# KiCad board tekskey-rounded-half.kicad_pcb
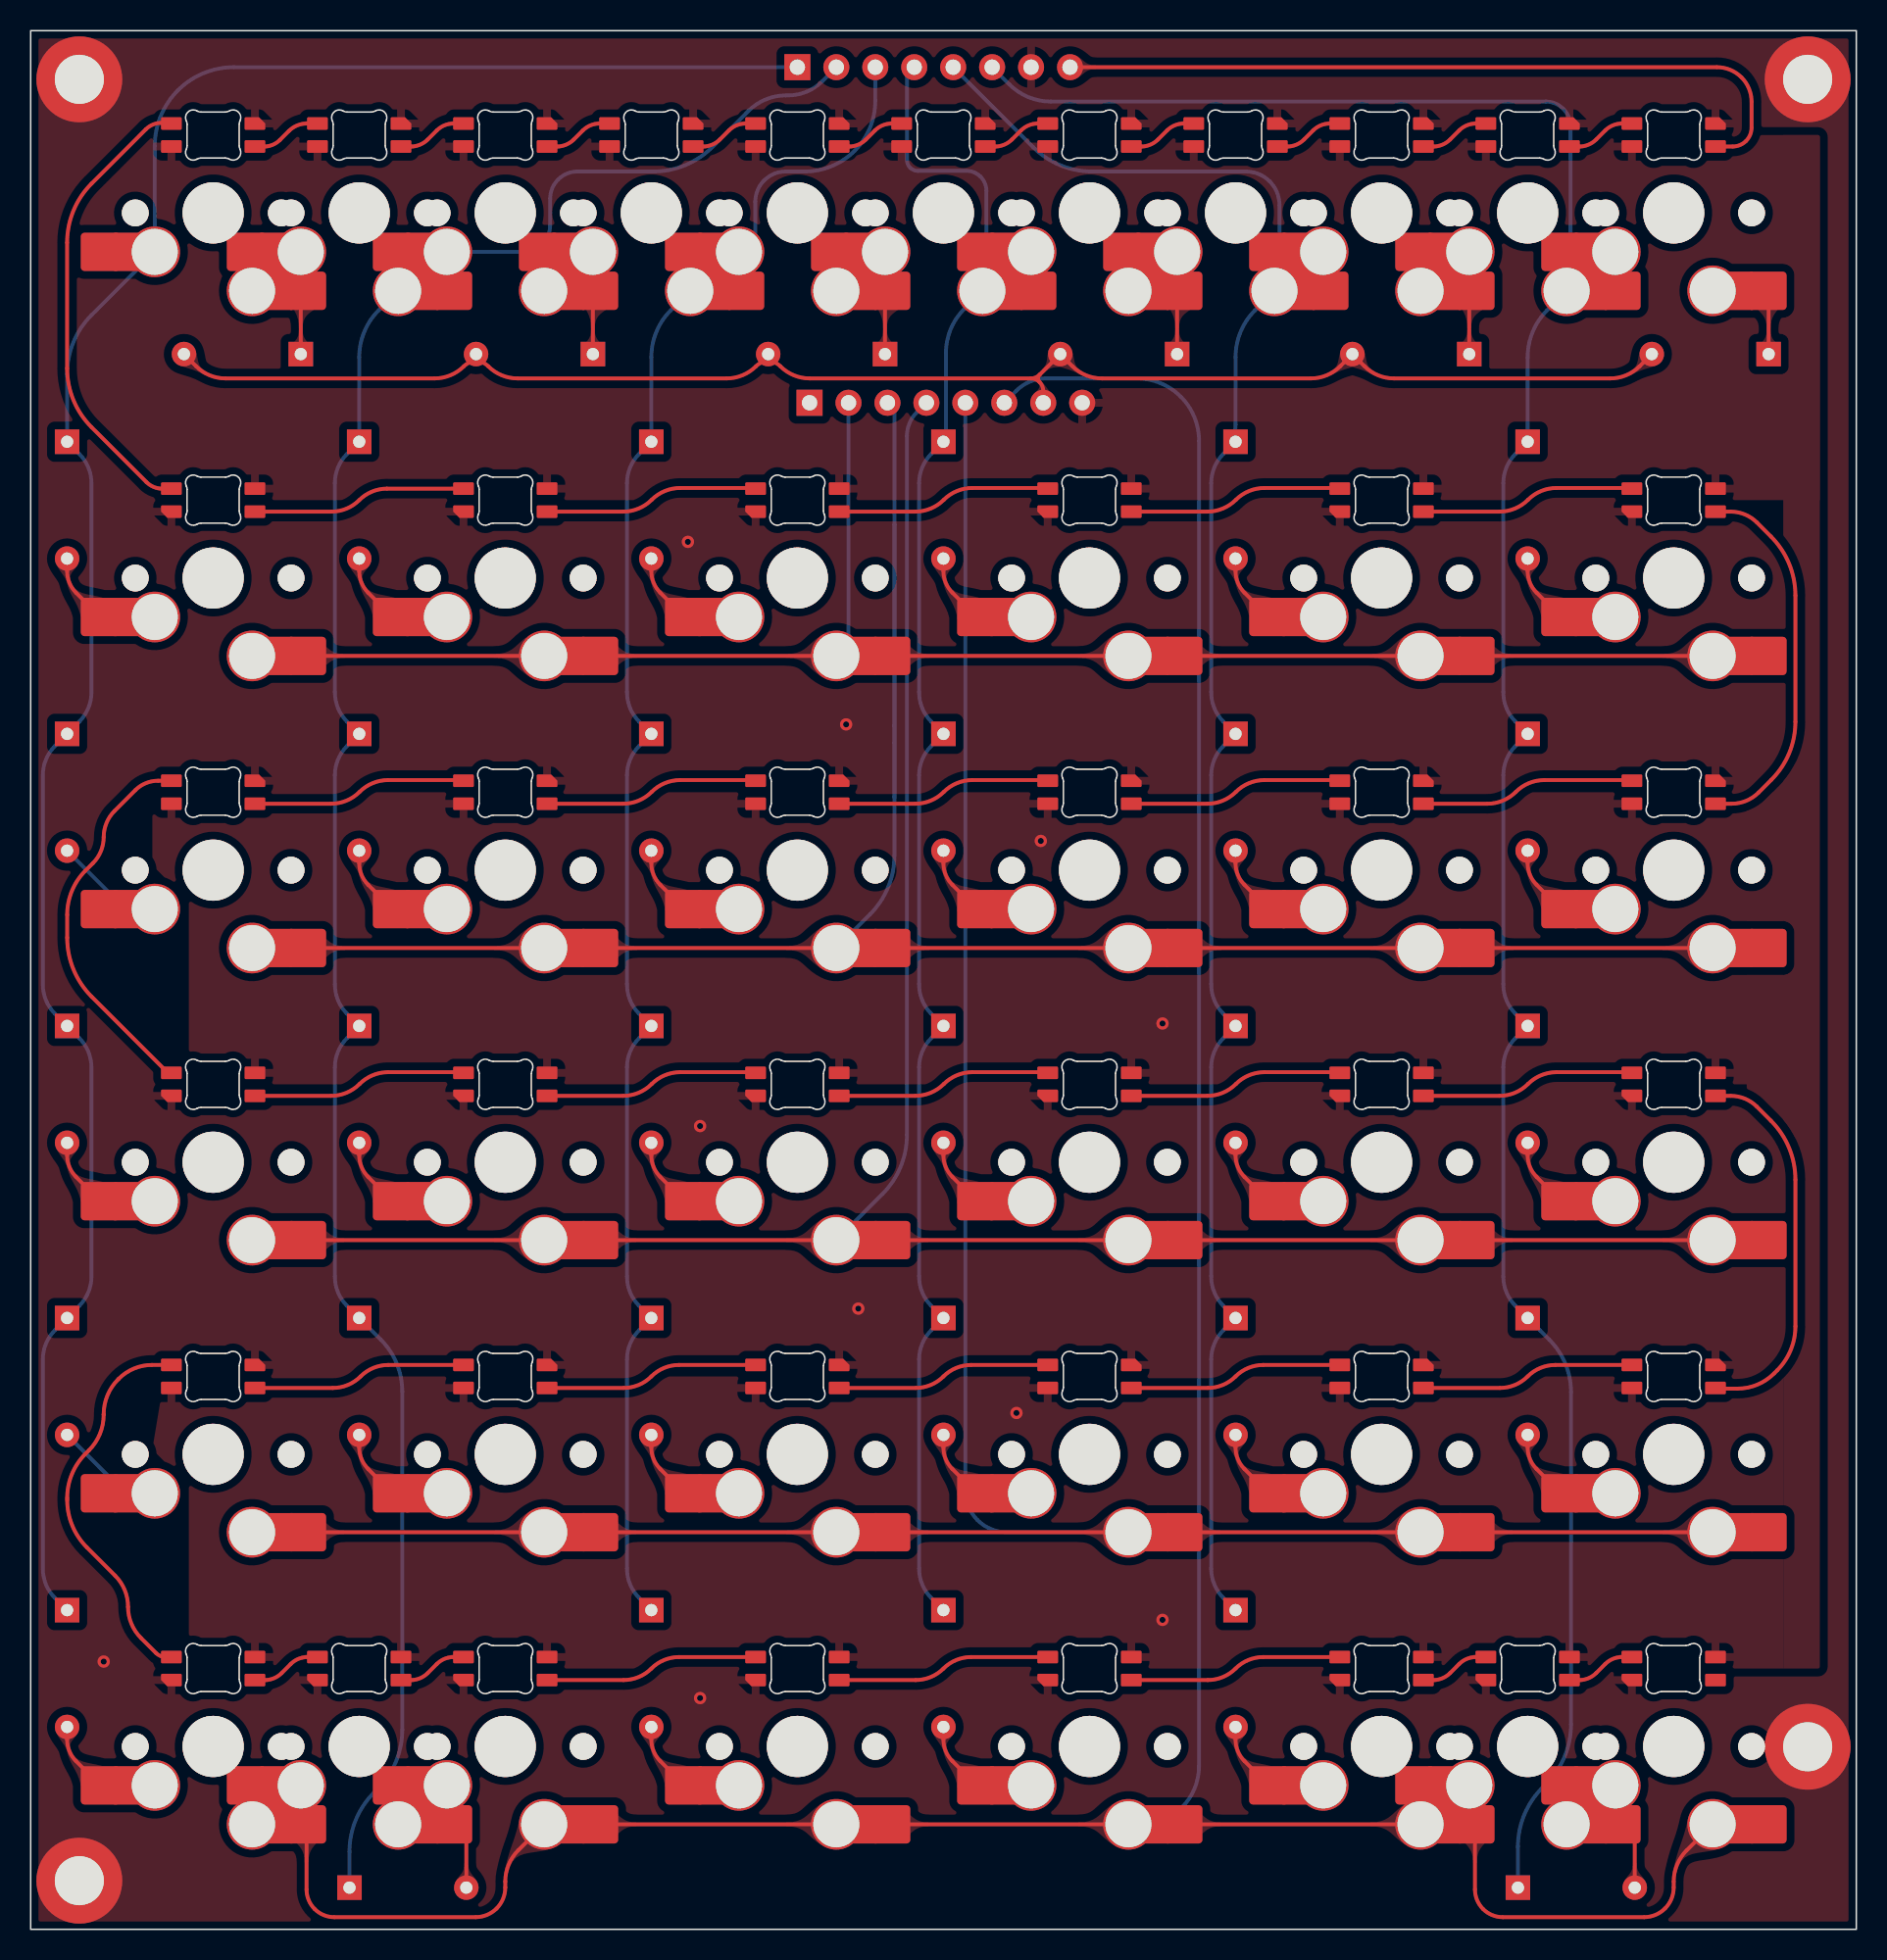
[diagram p0: board, top side]
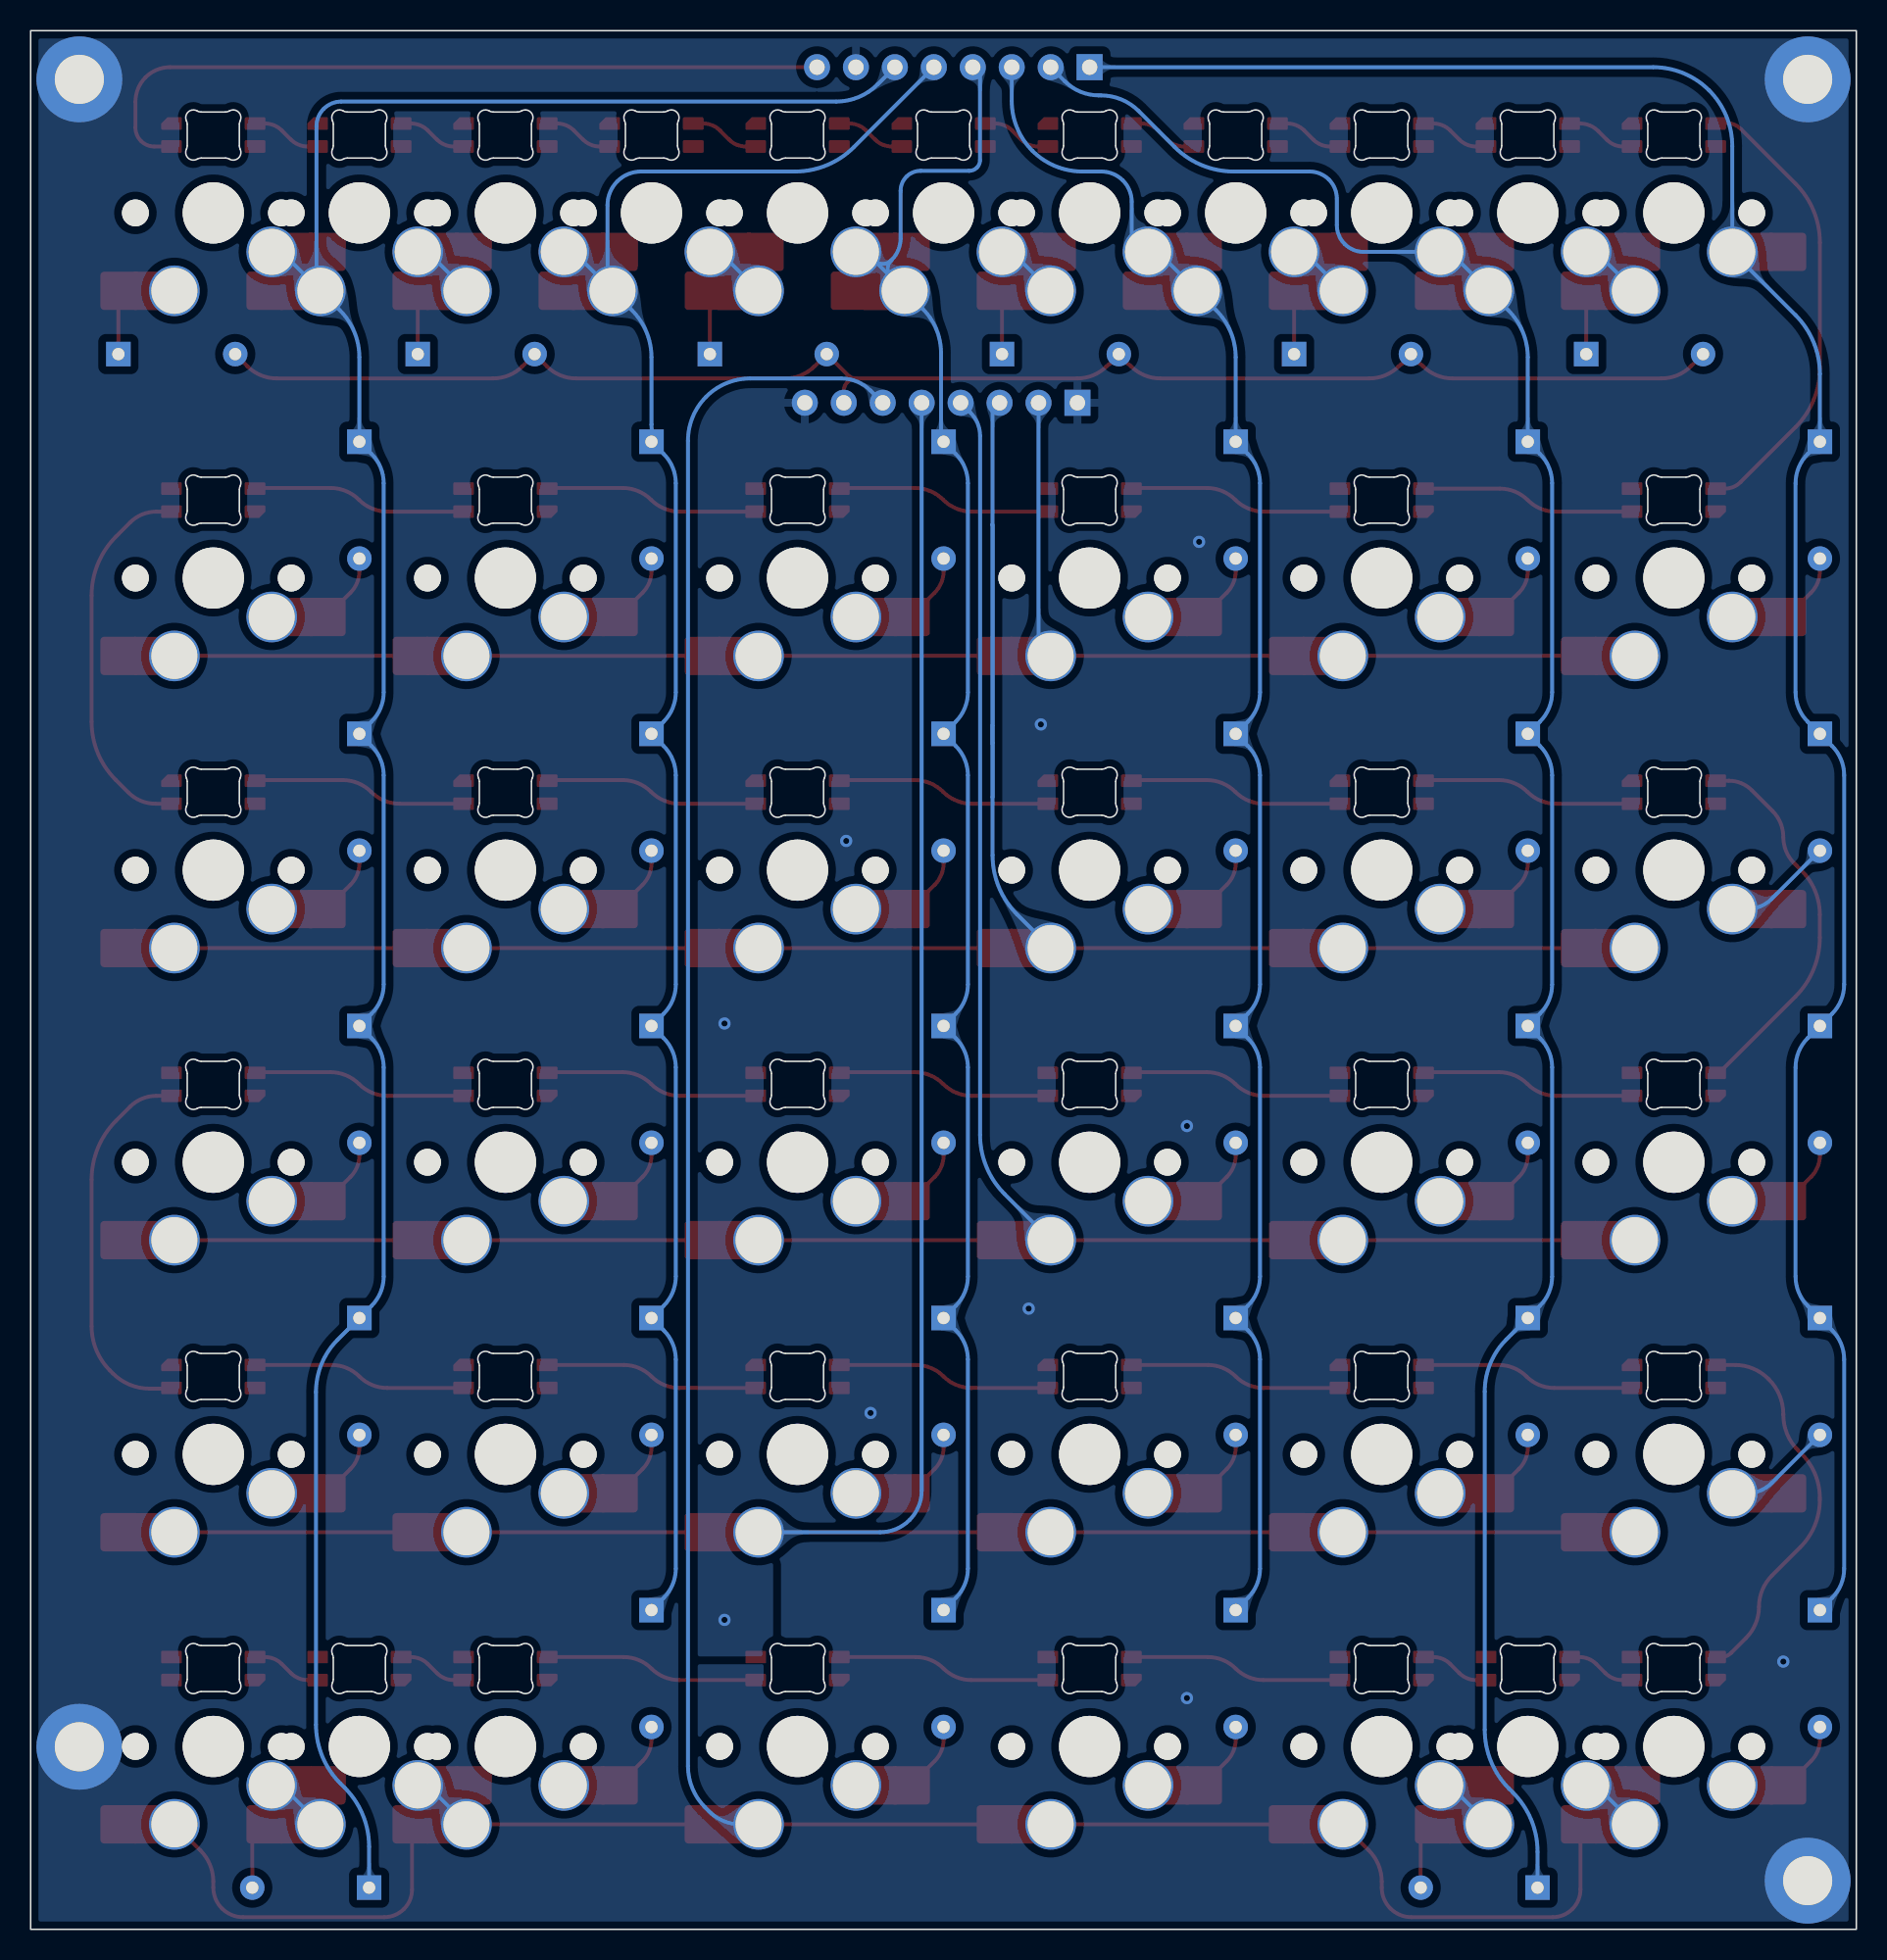
[diagram p1: board, bottom side, seen from below]

Outline 119.06 x 123.82 mm; copper layers: Top, Bottom. Coordinates in mm from the lower left corner of the outline.
Outline path: rectangle 0,123.82 119.06,0
Stack: Top 0.035mm / dielectric 1.51mm FR4 er 4.5 / Bottom 0.035mm

## Placement (name value [footprint] x y rotation side)
D101  1N4148  [D_DO-35_SOD27_P7.62mm_Horizontal_NoSilk]  17.62 102.73 180 top
D102  1N4148  [D_DO-35_SOD27_P7.62mm_Horizontal_NoSilk]  36.67 102.73 180 top
D103  1N4148  [D_DO-35_SOD27_P7.62mm_Horizontal_NoSilk]  55.72 102.73 180 top
D104  1N4148  [D_DO-35_SOD27_P7.62mm_Horizontal_NoSilk]  74.77 102.73 180 top
D105  1N4148  [D_DO-35_SOD27_P7.62mm_Horizontal_NoSilk]  93.82 102.73 180 top
D106  1N4148  [D_DO-35_SOD27_P7.62mm_Horizontal_NoSilk]  113.34 102.73 180 top
D107  1N4148  [D_DO-35_SOD27_P7.62mm_Horizontal_NoSilk]  2.38 97.02 270 top
D108  1N4148  [D_DO-35_SOD27_P7.62mm_Horizontal_NoSilk]  21.43 97.02 270 top
D109  1N4148  [D_DO-35_SOD27_P7.62mm_Horizontal_NoSilk]  40.48 97.02 270 top
D110  1N4148  [D_DO-35_SOD27_P7.62mm_Horizontal_NoSilk]  59.53 97.02 270 top
D111  1N4148  [D_DO-35_SOD27_P7.62mm_Horizontal_NoSilk]  78.58 97.02 270 top
D112  1N4148  [D_DO-35_SOD27_P7.62mm_Horizontal_NoSilk]  97.63 97.02 270 top
D113  1N4148  [D_DO-35_SOD27_P7.62mm_Horizontal_NoSilk]  2.38 77.97 270 top
D114  1N4148  [D_DO-35_SOD27_P7.62mm_Horizontal_NoSilk]  21.43 77.97 270 top
D115  1N4148  [D_DO-35_SOD27_P7.62mm_Horizontal_NoSilk]  40.48 77.97 270 top
D116  1N4148  [D_DO-35_SOD27_P7.62mm_Horizontal_NoSilk]  59.53 77.97 270 top
D117  1N4148  [D_DO-35_SOD27_P7.62mm_Horizontal_NoSilk]  78.58 77.97 270 top
D118  1N4148  [D_DO-35_SOD27_P7.62mm_Horizontal_NoSilk]  97.63 77.97 270 top
D119  1N4148  [D_DO-35_SOD27_P7.62mm_Horizontal_NoSilk]  2.38 58.92 270 top
D120  1N4148  [D_DO-35_SOD27_P7.62mm_Horizontal_NoSilk]  21.43 58.92 270 top
D121  1N4148  [D_DO-35_SOD27_P7.62mm_Horizontal_NoSilk]  40.48 58.92 270 top
D122  1N4148  [D_DO-35_SOD27_P7.62mm_Horizontal_NoSilk]  59.53 58.92 270 top
D123  1N4148  [D_DO-35_SOD27_P7.62mm_Horizontal_NoSilk]  78.58 58.92 270 top
D124  1N4148  [D_DO-35_SOD27_P7.62mm_Horizontal_NoSilk]  97.63 58.92 270 top
D125  1N4148  [D_DO-35_SOD27_P7.62mm_Horizontal_NoSilk]  2.38 39.87 270 top
D126  1N4148  [D_DO-35_SOD27_P7.62mm_Horizontal_NoSilk]  21.43 39.87 270 top
D127  1N4148  [D_DO-35_SOD27_P7.62mm_Horizontal_NoSilk]  40.48 39.87 270 top
D128  1N4148  [D_DO-35_SOD27_P7.62mm_Horizontal_NoSilk]  59.53 39.87 270 top
D129  1N4148  [D_DO-35_SOD27_P7.62mm_Horizontal_NoSilk]  78.58 39.87 270 top
D130  1N4148  [D_DO-35_SOD27_P7.62mm_Horizontal_NoSilk]  97.63 39.87 270 top
D131  1N4148  [D_DO-35_SOD27_P7.62mm_Horizontal_NoSilk]  2.38 20.82 270 top
D132  1N4148  [D_DO-35_SOD27_P7.62mm_Horizontal_NoSilk]  20.79 2.72 0 top
D133  1N4148  [D_DO-35_SOD27_P7.62mm_Horizontal_NoSilk]  40.48 20.82 270 top
D134  1N4148  [D_DO-35_SOD27_P7.62mm_Horizontal_NoSilk]  59.53 20.82 270 top
D135  1N4148  [D_DO-35_SOD27_P7.62mm_Horizontal_NoSilk]  78.58 20.82 270 top
D136  1N4148  [D_DO-35_SOD27_P7.62mm_Horizontal_NoSilk]  96.99 2.72 0 top
J101  Conn_01x08  [PinHeader_1x08_P2.54mm_Vertical]  50.8 99.56 90 top
J102  Conn_01x08  [PinHeader_1x08_P2.54mm_Vertical]  50 121.44 90 top
J103  Conn_01x01_Male  [MountingHole_3.2mm_M3_DIN965_Pad]  115.89 120.65 0 top
J104  Conn_01x01_Male  [MountingHole_3.2mm_M3_DIN965_Pad]  3.17 3.17 0 top
J105  Conn_01x01_Male  [MountingHole_3.2mm_M3_DIN965_Pad]  3.17 120.65 0 top
J106  Conn_01x01_Male  [MountingHole_3.2mm_M3_DIN965_Pad]  115.89 11.91 0 top
LED0B101  MX_SK6812MINI-E  [LED_MX_6028R]  21.43 117.02 180 top
LED1B101  MX_SK6812MINI-E  [LED_MX_6028R]  40.48 117.02 180 top
LED2B101  MX_SK6812MINI-E  [LED_MX_6028R]  59.53 117.02 180 top
LED3B101  MX_SK6812MINI-E  [LED_MX_6028R]  78.58 117.02 180 top
LED4B101  MX_SK6812MINI-E  [LED_MX_6028R]  97.63 117.02 180 top
LED101  MX_SK6812MINI-E  [LED_MX_6028R]  11.9 117.02 180 top
LED102  MX_SK6812MINI-E  [LED_MX_6028R]  30.95 117.02 180 top
LED103  MX_SK6812MINI-E  [LED_MX_6028R]  50 117.02 180 top
LED104  MX_SK6812MINI-E  [LED_MX_6028R]  69.05 117.02 180 top
LED105  MX_SK6812MINI-E  [LED_MX_6028R]  88.1 117.02 180 top
LED106  MX_SK6812MINI-E  [LED_MX_6028R]  107.15 117.02 180 top
LED107  MX_SK6812MINI-E  [LED_MX_6028R-FLIPPED]  11.9 93.21 180 top
LED108  MX_SK6812MINI-E  [LED_MX_6028R-FLIPPED]  30.95 93.21 180 top
LED109  MX_SK6812MINI-E  [LED_MX_6028R-FLIPPED]  50 93.21 180 top
LED110  MX_SK6812MINI-E  [LED_MX_6028R-FLIPPED]  69.05 93.21 180 top
LED111  MX_SK6812MINI-E  [LED_MX_6028R-FLIPPED]  88.1 93.21 180 top
LED112  MX_SK6812MINI-E  [LED_MX_6028R-FLIPPED]  107.15 93.21 180 top
LED113  MX_SK6812MINI-E  [LED_MX_6028R]  11.9 74.16 180 top
LED114  MX_SK6812MINI-E  [LED_MX_6028R]  30.95 74.16 180 top
LED115  MX_SK6812MINI-E  [LED_MX_6028R]  50 74.16 180 top
LED116  MX_SK6812MINI-E  [LED_MX_6028R]  69.05 74.16 180 top
LED117  MX_SK6812MINI-E  [LED_MX_6028R]  88.1 74.16 180 top
LED118  MX_SK6812MINI-E  [LED_MX_6028R]  107.15 74.16 180 top
LED119  MX_SK6812MINI-E  [LED_MX_6028R-FLIPPED]  11.9 55.11 180 top
LED120  MX_SK6812MINI-E  [LED_MX_6028R-FLIPPED]  30.95 55.11 180 top
LED121  MX_SK6812MINI-E  [LED_MX_6028R-FLIPPED]  50 55.11 180 top
LED122  MX_SK6812MINI-E  [LED_MX_6028R-FLIPPED]  69.05 55.11 180 top
LED123  MX_SK6812MINI-E  [LED_MX_6028R-FLIPPED]  88.1 55.11 180 top
LED124  MX_SK6812MINI-E  [LED_MX_6028R-FLIPPED]  107.15 55.11 180 top
LED125  MX_SK6812MINI-E  [LED_MX_6028R]  11.9 36.06 180 top
LED126  MX_SK6812MINI-E  [LED_MX_6028R]  30.95 36.06 180 top
LED127  MX_SK6812MINI-E  [LED_MX_6028R]  50 36.06 180 top
LED128  MX_SK6812MINI-E  [LED_MX_6028R]  69.05 36.06 180 top
LED129  MX_SK6812MINI-E  [LED_MX_6028R]  88.1 36.06 180 top
LED130  MX_SK6812MINI-E  [LED_MX_6028R]  107.15 36.06 180 top
LED131  MX_SK6812MINI-E  [LED_MX_6028R-FLIPPED]  11.9 17.01 180 top
LED132  MX_SK6812MINI-E  [LED_MX_6028R-FLIPPED]  21.43 17.01 180 top
LED133  MX_SK6812MINI-E  [LED_MX_6028R-FLIPPED]  30.95 17.01 180 top
LED134  MX_SK6812MINI-E  [LED_MX_6028R-FLIPPED]  50 17.01 180 top
LED135  MX_SK6812MINI-E  [LED_MX_6028R-FLIPPED]  69.05 17.01 180 top
LED136  MX_SK6812MINI-E  [LED_MX_6028R-FLIPPED]  88.1 17.01 180 top
LED137  MX_SK6812MINI-E  [LED_MX_6028R-FLIPPED]  97.63 17.01 180 top
LED138  MX_SK6812MINI-E  [LED_MX_6028R-FLIPPED]  107.15 17.01 180 top
SW1B101  MX_SW_HS  [SW_MX_HS_1u]  21.43 111.94 180 top
SW2B101  MX_SW_HS  [SW_MX_HS_1u]  40.48 111.94 180 top
SW3B101  MX_SW_HS  [SW_MX_HS_1u]  59.53 111.94 180 top
SW4B101  MX_SW_HS  [SW_MX_HS_1u]  78.58 111.94 180 top
SW5B101  MX_SW_HS  [SW_MX_HS_1u]  97.63 111.94 180 top
SW51B101  MX_SW_HS  [SW_MX_HS_1u]  21.43 11.93 180 top
SW55B101  MX_SW_HS  [SW_MX_HS_1u]  97.63 11.93 180 top
SW101  MX_SW_HS  [SW_MX_HS_1u]  11.9 111.94 180 top
SW102  MX_SW_HS  [SW_MX_HS_1u]  30.95 111.94 180 top
SW103  MX_SW_HS  [SW_MX_HS_1u]  50 111.94 180 top
SW104  MX_SW_HS  [SW_MX_HS_1u]  69.05 111.94 180 top
SW105  MX_SW_HS  [SW_MX_HS_1u]  88.1 111.94 180 top
SW106  MX_SW_HS  [SW_MX_HS_1u]  107.15 111.94 180 top
SW107  MX_SW_HS  [SW_MX_HS_1u]  11.9 88.13 180 top
SW108  MX_SW_HS  [SW_MX_HS_1u]  30.95 88.13 180 top
SW109  MX_SW_HS  [SW_MX_HS_1u]  50 88.13 180 top
SW110  MX_SW_HS  [SW_MX_HS_1u]  69.05 88.13 180 top
SW111  MX_SW_HS  [SW_MX_HS_1u]  88.1 88.13 180 top
SW112  MX_SW_HS  [SW_MX_HS_1u]  107.15 88.13 180 top
SW113  MX_SW_HS  [SW_MX_HS_1u]  11.9 69.08 180 top
SW114  MX_SW_HS  [SW_MX_HS_1u]  30.95 69.08 180 top
SW115  MX_SW_HS  [SW_MX_HS_1u]  50 69.08 180 top
SW116  MX_SW_HS  [SW_MX_HS_1u]  69.05 69.08 180 top
SW117  MX_SW_HS  [SW_MX_HS_1u]  88.1 69.08 180 top
SW118  MX_SW_HS  [SW_MX_HS_1u]  107.15 69.08 180 top
SW119  MX_SW_HS  [SW_MX_HS_1u]  11.9 50.03 180 top
SW120  MX_SW_HS  [SW_MX_HS_1u]  30.95 50.03 180 top
SW121  MX_SW_HS  [SW_MX_HS_1u]  50 50.03 180 top
SW122  MX_SW_HS  [SW_MX_HS_1u]  69.05 50.03 180 top
SW123  MX_SW_HS  [SW_MX_HS_1u]  88.1 50.03 180 top
SW124  MX_SW_HS  [SW_MX_HS_1u]  107.15 50.03 180 top
SW125  MX_SW_HS  [SW_MX_HS_1u]  11.9 30.98 180 top
SW126  MX_SW_HS  [SW_MX_HS_1u]  30.95 30.98 180 top
SW127  MX_SW_HS  [SW_MX_HS_1u]  50 30.98 180 top
SW128  MX_SW_HS  [SW_MX_HS_1u]  69.05 30.98 180 top
SW129  MX_SW_HS  [SW_MX_HS_1u]  88.1 30.98 180 top
SW130  MX_SW_HS  [SW_MX_HS_1u]  107.15 30.98 180 top
SW131  MX_SW_HS  [SW_MX_HS_1u]  11.9 11.93 180 top
SW132  MX_SW_HS  [SW_MX_HS_1u]  30.95 11.93 180 top
SW133  MX_SW_HS  [SW_MX_HS_1u]  50 11.93 180 top
SW134  MX_SW_HS  [SW_MX_HS_1u]  69.05 11.93 180 top
SW135  MX_SW_HS  [SW_MX_HS_1u]  88.1 11.93 180 top
SW136  MX_SW_HS  [SW_MX_HS_1u]  107.15 11.93 180 top

## Library data of the parts
LED0B101 LED1B101 LED2B101 LED3B101 LED4B101 LED101-LED138 = -: Field4: 1; Field5: offset: 5.08; Field6: switch center

## Footprints (pads in the part's own frame, mm; a bottom-side part is the same pattern mirrored in y, then rotated)
D_DO-35_SOD27_P7.62mm_Horizontal_NoSilk
  rect 1.6x1.6 hole 0.8: 1(0,0)
  oval 1.6x1.6 hole 0.8: 2(7.62,0)
LED_MX_6028R
  rrect 1.35x0.82 smd: 1(2.725,0.75) 2(2.725,-0.75) 3(-2.725,0.75) 4(-2.725,-0.75)
LED_MX_6028R-FLIPPED
  rrect 1.35x0.82 smd: 1(-2.725,-0.75) 2(-2.725,0.75) 3(2.725,-0.75) 4(2.725,0.75)
MountingHole_3.2mm_M3_DIN965_Pad
  round 5.6 hole 3.2: 1(0,0)
PinHeader_1x08_P2.54mm_Vertical
  rect 1.7x1.7 hole 1: 1(0,0)
  oval 1.7x1.7 hole 1: 2(0,-2.54) 3(0,-5.08) 4(0,-7.62) 5(0,-10.16) 6(0,-12.7) 7(0,-15.24) 8(0,-17.78)
SW_MX_HS_1u
  round 1.75 hole 1.75 unplated: (-5.08,0) (5.08,0)
  round 3.988 hole 3.988 unplated: (0,0)
  round 3.3 hole 3: 1(3.81,2.54) 2(-2.54,5.08)
  rect 1.65x2.5 smd: 1(5.635,2.54) 2(-4.34,5.08)
  rrect 2.55x2.5 smd: 1(7.36,2.54) 2(-6.09,5.08)

## Nets
+5V: J101.8 LED0B101.1 LED1B101.1 LED2B101.1 LED3B101.1 LED4B101.1 LED101.1 LED102.1 LED103.1 LED104.1 LED105.1 LED106.1 LED107.1 LED108.1 LED109.1 LED110.1 LED111.1 LED112.1 LED113.1 LED114.1 LED115.1 LED116.1 LED117.1 LED118.1 LED119.1 LED120.1 LED121.1 LED122.1 LED123.1 LED124.1 LED125.1 LED126.1 LED127.1 LED128.1 LED129.1 LED130.1 LED131.1 LED132.1 LED133.1 LED134.1 LED135.1 LED136.1 LED137.1 LED138.1
GND: J101.1 J102.7 J103.1 J104.1 J105.1 J106.1 LED0B101.4 LED1B101.4 LED2B101.4 LED3B101.4 LED4B101.4 LED101.4 LED102.4 LED103.4 LED104.4 LED105.4 LED106.4 LED107.4 LED108.4 LED109.4 LED110.4 LED111.4 LED112.4 LED113.4 LED114.4 LED115.4 LED116.4 LED117.4 LED118.4 LED119.4 LED120.4 LED121.4 LED122.4 LED123.4 LED124.4 LED125.4 LED126.4 LED127.4 LED128.4 LED129.4 LED130.4 LED131.4 LED132.4 LED133.4 LED134.4 LED135.4 LED136.4 LED137.4 LED138.4
col0: D107.1 D113.1 D119.1 D125.1 D131.1 J102.1 SW101.1
col1: D108.1 D114.1 D120.1 D126.1 D132.1 J102.2 SW1B101.2 SW102.1
col2: D109.1 D115.1 D121.1 D127.1 D133.1 J102.3 SW2B101.2 SW103.1
col3: D110.1 D116.1 D122.1 D128.1 D134.1 J102.4 SW3B101.2 SW104.1
col4: D111.1 D117.1 D123.1 D129.1 D135.1 J102.5 SW4B101.2 SW105.1
col5: D112.1 D118.1 D124.1 D130.1 D136.1 J102.6 SW5B101.2 SW106.1
LEDIN: J102.8 LED106.3
row0: D101.2 D102.2 D103.2 D104.2 D105.2 D106.2 J101.7
row1: J101.2 SW107.2 SW108.2 SW109.2 SW110.2 SW111.2 SW112.2
row2: J101.3 SW113.2 SW114.2 SW115.2 SW116.2 SW117.2 SW118.2
row3: J101.4 SW119.2 SW120.2 SW121.2 SW122.2 SW123.2 SW124.2
row4: J101.5 SW125.2 SW126.2 SW127.2 SW128.2 SW129.2 SW130.2
row5: J101.6 SW51B101.1 SW55B101.1 SW131.2 SW132.2 SW133.2 SW134.2 SW135.2 SW136.2
Net-(D101-Pad1): D101.1 SW1B101.1 SW101.2
Net-(D102-Pad1): D102.1 SW2B101.1 SW102.2
Net-(D103-Pad1): D103.1 SW3B101.1 SW103.2
Net-(D104-Pad1): D104.1 SW4B101.1 SW104.2
Net-(D105-Pad1): D105.1 SW5B101.1 SW105.2
Net-(D106-Pad1): D106.1 SW106.2
Net-(D107-Pad2): D107.2 SW107.1
Net-(D108-Pad2): D108.2 SW108.1
Net-(D109-Pad2): D109.2 SW109.1
Net-(D110-Pad2): D110.2 SW110.1
Net-(D111-Pad2): D111.2 SW111.1
Net-(D112-Pad2): D112.2 SW112.1
Net-(D113-Pad2): D113.2 SW113.1
Net-(D114-Pad2): D114.2 SW114.1
Net-(D115-Pad2): D115.2 SW115.1
Net-(D116-Pad2): D116.2 SW116.1
Net-(D117-Pad2): D117.2 SW117.1
Net-(D118-Pad2): D118.2 SW118.1
Net-(D119-Pad2): D119.2 SW119.1
Net-(D120-Pad2): D120.2 SW120.1
Net-(D121-Pad2): D121.2 SW121.1
Net-(D122-Pad2): D122.2 SW122.1
Net-(D123-Pad2): D123.2 SW123.1
Net-(D124-Pad2): D124.2 SW124.1
Net-(D125-Pad2): D125.2 SW125.1
Net-(D126-Pad2): D126.2 SW126.1
Net-(D127-Pad2): D127.2 SW127.1
Net-(D128-Pad2): D128.2 SW128.1
Net-(D129-Pad2): D129.2 SW129.1
Net-(D130-Pad2): D130.2 SW130.1
Net-(D131-Pad2): D131.2 SW131.1
Net-(D132-Pad2): D132.2 SW51B101.2 SW132.1
Net-(D133-Pad2): D133.2 SW133.1
Net-(D134-Pad2): D134.2 SW134.1
Net-(D135-Pad2): D135.2 SW135.1
Net-(D136-Pad2): D136.2 SW55B101.2 SW136.1
Net-(LED0B101-Pad2): LED0B101.2 LED101.3
Net-(LED0B101-Pad3): LED0B101.3 LED102.2
Net-(LED101-Pad2): LED101.2 LED107.3
Net-(LED102-Pad3): LED1B101.2 LED102.3
Net-(LED103-Pad2): LED1B101.3 LED103.2
Net-(LED103-Pad3): LED2B101.2 LED103.3
Net-(LED104-Pad2): LED2B101.3 LED104.2
Net-(LED104-Pad3): LED3B101.2 LED104.3
Net-(LED105-Pad2): LED3B101.3 LED105.2
Net-(LED105-Pad3): LED4B101.2 LED105.3
Net-(LED106-Pad2): LED4B101.3 LED106.2
Net-(LED107-Pad2): LED107.2 LED108.3
Net-(LED108-Pad2): LED108.2 LED109.3
Net-(LED109-Pad2): LED109.2 LED110.3
Net-(LED110-Pad2): LED110.2 LED111.3
Net-(LED111-Pad2): LED111.2 LED112.3
Net-(LED112-Pad2): LED112.2 LED118.3
Net-(LED113-Pad2): LED113.2 LED119.3
Net-(LED113-Pad3): LED113.3 LED114.2
Net-(LED114-Pad3): LED114.3 LED115.2
Net-(LED115-Pad3): LED115.3 LED116.2
Net-(LED116-Pad3): LED116.3 LED117.2
Net-(LED117-Pad3): LED117.3 LED118.2
Net-(LED119-Pad2): LED119.2 LED120.3
Net-(LED120-Pad2): LED120.2 LED121.3
Net-(LED121-Pad2): LED121.2 LED122.3
Net-(LED122-Pad2): LED122.2 LED123.3
Net-(LED123-Pad2): LED123.2 LED124.3
Net-(LED124-Pad2): LED124.2 LED130.3
Net-(LED125-Pad2): LED125.2 LED131.3
Net-(LED125-Pad3): LED125.3 LED126.2
Net-(LED126-Pad3): LED126.3 LED127.2
Net-(LED127-Pad3): LED127.3 LED128.2
Net-(LED128-Pad3): LED128.3 LED129.2
Net-(LED129-Pad3): LED129.3 LED130.2
Net-(LED131-Pad2): LED131.2 LED132.3
Net-(LED132-Pad2): LED132.2 LED133.3
Net-(LED133-Pad2): LED133.2 LED134.3
Net-(LED134-Pad2): LED134.2 LED135.3
Net-(LED135-Pad2): LED135.2 LED136.3
Net-(LED136-Pad2): LED136.2 LED137.3
Net-(LED137-Pad2): LED137.2 LED138.3

Pads without a net: LED138 2

## Via types
v1: diameter 0.8, hole 0.4, Top to Bottom, 10 vias

## Routing (per net, layer and track width the routed paths; a pad name or vN(x,y) marks a point on that pad's centre or on a via; arc(x,y) is an arc through that point)
+5V:
  vias: v1(64.29,33.68) v1(65.88,70.98) v1(73.81,59.08) v1(73.81,20.18)
GND:
  vias: v1(4.76,17.46) v1(42.86,90.49) v1(43.66,52.39) v1(43.66,15.08) v1(53.18,78.58) v1(53.97,40.48)
col0: length 146.8
  Bottom w0.25: D131.1 1.59,21.61 arc(1,22.49) 0.79,23.52 0.79,37.17 arc(1,38.2) 1.59,39.08 D125.1 3.17,40.66 arc(3.76,41.54) 3.96,42.58 3.96,56.21 arc(3.76,57.24) 3.17,58.12 1.59,59.71 arc(1,60.59) 0.79,61.62 0.79,75.27 arc(1,76.3) 1.59,77.18 3.17,78.76 arc(3.76,79.64) 3.96,80.68 3.96,94.31 arc(3.76,95.34) 3.17,96.22 D107.1 2.38,101.43 arc(2.79,103.51) 3.97,105.28 SW101.1 8.09,116.29 arc(8.48,118.26) 9.6,119.93 arc(11.28,121.05) 13.25,121.44 J102.1
col1: length 148.3
  Top w1: 24.28,109.4 26.82,106.86
  Bottom w0.25: D132.1 20.79,5.06 arc(21.21,7.15) 22.39,8.91 22.64,9.17 arc(23.82,10.93) 24.23,13.01 24.23,35.07 arc(23.87,36.91) 22.83,38.46 D126.1 20.63,40.66 arc(20.05,41.54) 19.84,42.58 19.84,56.21 arc(20.05,57.24) 20.63,58.12 D120.1 20.63,59.71 arc(20.05,60.59) 19.84,61.63 19.84,75.26 arc(20.05,76.29) 20.63,77.17 arc(20.96,77.97) 20.63,78.76 arc(20.05,79.64) 19.84,80.68 19.84,94.31 arc(20.05,95.34) 20.63,96.22 D108.1 21.43,102.52 arc(21.76,104.18) 22.7,105.59 SW1B101.2 26.51,109.4 ; J102.2 51.62,120.52 arc(50.6,119.84) 49.4,119.6 49.26,119.6 arc(47.93,119.34) 46.81,118.59 44.45,116.23 arc(42.69,115.05) 40.6,114.64 35.66,114.64 arc(34.98,114.5) 34.4,114.12 arc(34.01,113.54) 33.88,112.86 33.88,111.14 arc(33.75,110.48) 33.37,109.91 arc(32.8,109.53) 32.13,109.4 SW102.1
col2: length 114.4
  Top w1: 45.87,106.86 43.33,109.4
  Bottom w0.25: D133.1 39.68,21.61 arc(39.1,22.49) 38.89,23.53 38.89,37.16 arc(39.1,38.19) 39.68,39.07 D127.1 39.68,40.66 arc(39.1,41.54) 38.89,42.58 38.89,56.21 arc(39.1,57.24) 39.68,58.12 D121.1 39.68,59.71 arc(39.1,60.59) 38.89,61.63 38.89,75.26 arc(39.1,76.29) 39.68,77.17 D115.1 39.68,78.76 arc(39.1,79.64) 38.89,80.68 38.89,94.31 arc(39.1,95.34) 39.68,96.22 D109.1 40.48,102.52 arc(40.81,104.18) 41.75,105.59 SW2B101.2 45.56,109.4 ; J102.3 55.08,119.25 arc(54.73,117.48) 53.73,115.99 arc(52.24,114.99) 50.47,114.64 49.23,114.64 arc(48.48,114.49) 47.84,114.06 arc(47.41,113.42) 47.26,112.66 47.26,110.46
col3: length 116.8
  Top w1: 64.92,106.86 62.38,109.4
  Bottom w0.25: D110.1 58.73,96.22 arc(58.15,95.34) 57.94,94.31 57.94,80.68 arc(58.15,79.64) 58.73,78.76 arc(59.06,77.97) 58.73,77.17 arc(58.15,76.29) 57.94,75.26 57.94,61.63 arc(58.15,60.59) 58.73,59.71 D122.1 58.73,58.12 arc(58.15,57.24) 57.94,56.21 57.94,42.58 arc(58.15,41.54) 58.73,40.66 D128.1 58.73,39.07 arc(58.15,38.19) 57.94,37.16 57.94,23.53 arc(58.15,22.49) 58.73,21.61 D134.1 ; 64.05,108.84 62.94,107.73 ; 64.05,108.84 64.61,109.4 ; 64.05,108.84 arc(63.5,108.61) 62.94,108.84 ; 62.94,107.73 60.88,105.67 arc(60,104.36) 59.69,102.81 59.69,97.18 ; 62.94,107.73 arc(63.17,108.29) 62.94,108.84 ; 62.94,108.84 62.91,108.87 arc(62.48,109.52) 62.33,110.28 62.33,113.38 arc(62.23,113.88) 61.95,114.3 arc(61.52,114.59) 61.02,114.68 57.85,114.68 arc(57.58,114.74) 57.35,114.89 arc(57.2,115.12) 57.15,115.38 57.15,120.97
col4: length 127.2
  Top w1: 83.97,106.86 81.43,109.4
  Bottom w0.25: J102.5 65.37,116.23 arc(67.14,115.05) 69.22,114.64 79.26,114.64 arc(80.1,114.47) 80.8,114 arc(81.28,113.29) 81.44,112.45 81.44,107.19 ; D135.1 77.78,21.61 arc(77.2,22.49) 76.99,23.53 76.99,37.16 arc(77.2,38.19) 77.78,39.07 arc(78.11,39.87) 77.78,40.66 arc(77.2,41.54) 76.99,42.58 76.99,56.21 arc(77.2,57.24) 77.78,58.12 arc(78.11,58.92) 77.78,59.71 arc(77.2,60.59) 76.99,61.63 76.99,75.26 arc(77.2,76.29) 77.78,77.17 arc(78.11,77.97) 77.78,78.76 arc(77.2,79.64) 76.99,80.68 76.99,94.31 arc(77.2,95.34) 77.78,96.22 arc(78.37,97.1) 78.58,98.14 78.58,102.52 arc(78.91,104.18) 79.85,105.59 SW4B101.2 83.66,109.4